# Allegro board RK3588_Template_LP4XD200P232SD8_41R0X41R0_2133MHz_H1R0_V11_20220216.brd (continued)
## Copper pours and planes (outline as drawn; the poured copper is in the pictures) (continued)
GND on L6-S2 (solid shape): 35.27,55.42 35.37,55.36 35.35,55.25 35.19,55.09 35.17,55.09 34.93,54.49 35.53,54.73 35.53,54.75 35.66,54.88 36.47,54.88 36.48,54.83 37.09,54.63 36.84,55.22 36.82,55.22 36.8,55.25 36.78,55.36 36.87,55.42 40.81,55.42 41.61,54.62 41.63,54.51 41.53,54.45 37.58,54.45 37.22,54.09 34.77,54.09 34.29,54.58 35.14,55.42
GND on L6-S2 (solid shape): outline of 96 points within 66.82,31.58 68.73,38.34
GND on L6-S2 (solid shape): 57.69,35.77 57.76,35.79 57.83,35.75 57.91,35.66 57.91,35.48 57.85,35.42 57.81,35.35 57.79,35.27 57.79,35.11 57.81,35.03 57.85,34.96 57.91,34.9 57.91,34.72 57.79,34.59 57.79,34.2 57.91,34.08 57.91,33.83 57.86,33.76 57.85,33.68 57.85,33.46 57.87,33.39 57.83,33.32 57.74,33.09 57.88,32.88 57.91,32.87 57.91,32.72 57.88,32.71 57.77,32.63 57.71,32.52 57.64,32.46 57.55,32.47 57.34,32.53 57.16,32.41 57.07,32.37 56.99,32.42 56.93,32.51 56.85,32.57 56.85,32.57 56.8,32.61 56.84,32.65 56.84,33.16 57.01,33.33 57.34,33.33 57.68,33.66 57.68,34.59 57.6,34.67 57.68,34.76 57.68,35.26 57.43,35.51
GND on L6-S2 (solid shape): 32.12,50.69 32.21,50.62 32.19,50.51 31.68,50.01 31.66,50.01 31.49,49.98 31.35,49.88 31.27,49.84 31.19,49.88 30.75,49.97 30.57,49.57 30.58,49.54 30.52,49.48 30.14,49.48 28.74,48.08 25.61,48.08 25.23,48.47 25.2,48.54 25.24,48.62 25.36,48.8 25.35,49.03 25.34,49.04 25.34,49.1 25.43,49.1 25.51,49.06 25.53,48.97 25.68,48.65 26.01,48.77 26.02,48.78 26.06,48.82 26.39,48.48 26.41,48.48 26.43,48.46 28.35,48.46 28.69,48.8 28.69,48.8 29.3,49.41 29.3,49.42 30.5,50.62 30.51,50.62 30.58,50.69
GND on L6-S2 (solid shape): 54.24,43.3 54.32,43.26 54.35,43.23 54.38,43.21 54.42,43.14 54.4,43.06 54.08,42.74 54.08,42.21 53.7,41.82 53.7,40.39 52.93,39.63 52.93,38.57 52.55,38.18 52.55,28.51 52.89,28.17 53.51,28.17 53.78,28.45 53.95,28.45 53.95,27.73 54.65,27.03 55.46,27.03 55.86,26.63 55.86,26.37 55.9,26.33 55.81,26.26 55.78,26.22 55.7,26.18 55.62,26.21 55.51,26.3 55.37,26.33 55.35,26.33 54.92,26.76 53.94,26.76 53.85,26.85 53.9,26.89 53.91,26.9 54.06,27.32 53.61,27.27 53.54,27.22 53.45,27.25 52.29,28.41 52.29,38.14 52.79,38.65 52.79,40.37 53.43,41.01 53.43,41.82 53.47,41.86 53.49,41.89 53.52,41.94 53.79,42.21 53.79,42.77 53.79,42.78 53.79,42.88 53.79,42.88 53.79,43.08 53.87,43.15 53.89,43.15 54.04,43.18 54.16,43.26
GND on L6-S2 (solid shape): 71.86,45.94 72.2,45.6 72.69,45.6 72.84,45.74 72.94,45.76 73,45.68 73,45.53 73.34,45.19 74.21,45.19 74.26,45.24 74.44,45.24 74.69,44.98 74.97,44.98 75.05,44.92 75.02,44.81 75.21,44.36 75.41,44.81 75.38,44.92 75.46,44.98 75.89,44.98 76.2,44.67 76.2,44.5 75.6,43.9 75.2,43.9 75.13,43.94 75.1,44.02 74.92,44.37 74.53,44.29 73.75,44.29 72.76,45.28 72.2,45.28 72.14,45.34 71.17,45.34 70.83,45.68 66.82,45.68 66.78,45.72 66.75,45.75 66.69,45.78 66.67,45.88 66.75,45.95 68.05,45.95 68.05,45.95 68.21,45.95 68.33,46.08 68.57,46.08 68.67,45.98 69.38,45.98 69.48,46.08 69.68,46.08 69.78,45.98 70.39,45.98 70.49,46.08 70.7,46.08 70.8,45.98 71.54,45.98 71.66,46.1 71.86,46.1
GND on L6-S2 (solid shape): 57.66,41.8 57.77,41.81 57.82,41.72 57.82,41.59 58.08,41.34 58.54,41.34 58.76,41.57 59.02,41.57 59.05,41.53 59.05,41.16 58.82,41.16 58.53,40.87 57.99,40.76 58.31,40.31 58.34,40.31 58.46,40.19 58.46,40.05 58.42,39.97 58.34,39.95 57.97,39.65 58.29,39.3 58.31,39.3 58.46,39.15 58.46,39 58.42,38.92 58.34,38.9 58,38.72 58.06,38.34 58.08,38.33 58.08,38.3 58.12,38.25 58.14,38.14 58.05,38.08 58.03,38.08 57.85,37.9 57.81,37.85 57.73,37.85 57.73,39.1 57.47,39.36 57.73,39.62 57.73,40.23 57.43,40.54 57.74,40.85 57.74,41.33 57.47,41.61 57.48,41.61
GND on L6-S2 (solid shape): 76.92,55.31 76.96,55.22 76.96,54.77 76.93,54.69 76.84,54.67 76.59,54.6 76.47,54.37 76.46,54.32 76.39,54.32 76.03,54.69 74.22,54.69 73.89,54.35 73.89,53.81 74.02,53.68 74.02,53.43 73.82,53.24 73.71,53.24 73.71,53.34 73.37,53.68 72.83,53.68 72.73,53.59 72.68,53.64 72.69,53.7 72.69,53.73 72.69,53.89 72.71,53.93 72.99,53.94 73.17,54.12 73.22,54.19 73.23,54.27 73.23,54.52 73.11,54.64 73.34,54.88 73.95,54.88 74.32,54.83 74.49,55.17 74.52,55.25 74.59,55.28 74.85,55.28 74.93,55.24 74.94,55.15 75.19,54.79 75.44,55.15 75.45,55.24 75.53,55.28 76.67,55.28 76.69,55.3 76.71,55.3 76.77,55.3 76.82,55.32
GND on L6-S2 (solid shape): 74.97,54.08 75.06,54.01 75.03,53.91 75.22,53.46 75.41,53.91 75.39,54.01 75.47,54.08 75.78,54.08 76.14,53.72 76.46,53.72 76.47,53.61 76.2,53.34 76.16,53.36 75.77,53.3 75.72,52.91 75.74,52.88 75.59,52.73 75.55,52.77 75.07,52.77 74.91,52.61 74.83,52.58 74.76,52.62 74.44,52.69 74.29,52.41 74.27,52.32 74.19,52.29 73.67,52.29 73.65,52.32 73.31,52.47 73.16,52.13 73.16,52.12 73.16,52.06 73.04,52.06 72.93,52.19 72.76,52.24 72.67,52.3 72.68,52.41 73.03,52.76 73.03,52.81 73.09,52.89 73.19,52.87 73.44,52.63 74.07,52.63 74.62,53.18 74.62,53.93 74.56,54 74.55,54.05 74.59,54.08
GND on L6-S2 (solid shape): 82.29,57.36 82.39,57.35 82.64,57.1 82.64,56.63 82.59,56.56 82.5,56.55 82.15,56.3 82.5,56.05 82.59,56.04 82.64,55.97 82.64,55.75 82.55,55.65 82.55,55.46 82.51,55.4 82.43,55.38 82.09,55.19 82.18,54.81 82.21,54.73 82.18,54.65 82.09,54.55 82.06,54.42 82.03,54.35 81.96,54.32 81.44,54.32 81.41,54.36 81.41,54.73 81.44,54.8 81.51,54.83 81.8,55.1 81.51,55.36 81.44,55.39 81.41,55.46 81.41,55.82 81.45,55.9 81.53,55.92 81.93,56.15 81.71,56.55 81.64,56.62 81.67,56.72 81.75,56.8 81.75,56.93 81.79,57.01 82.12,57.06 82.23,57.27
GND on L6-S2 (solid shape): 68.66,31.29 68.73,31.21 68.73,30.95 68.66,30.87 68.56,30.88 68.14,30.62 68.63,30.56 68.65,30.59 68.73,30.59 68.73,30.4 68.24,29.92 68.12,29.92 67.75,29.55 67.75,29.42 67.43,29.11 67.18,29.11 66.78,28.71 66.78,27.9 66.71,27.82 66.61,27.83 66.18,27.63 66.61,27.42 66.71,27.44 66.78,27.36 66.78,26.97 66.41,26.59 66.21,26.59 66.15,26.63 66.12,26.69 65.65,26.97 65.58,26.43 65.62,26.35 65.58,26.28 65.48,25.93 65.75,25.7 65.84,25.64 65.81,25.53 65.72,25.44 65.4,25.44 65.14,25.55 64.89,25.42 64.77,25.42 64.77,25.99 64.77,26.04 64.77,26.09 64.77,26.63 64.81,26.73 64.81,26.83 65.79,27.81 65.79,28.19 67.94,30.35 67.94,30.5 68.01,30.68 67.94,30.85 67.94,30.99 68.23,31.27 68.4,31.21 68.56,31.27
GND on L6-S2 (solid shape): 57.79,46.86 58.55,46.86 58.67,46.74 58.67,46.36 58.42,46.1 58.42,45.87 58.28,45.83 58.15,45.74 57.7,45.29 57.7,45.1 57.7,45.06 57.67,45.04 57.62,45.01 57.57,44.96 57.4,44.96 57.4,45.2 57.49,45.43 57.4,45.65 57.4,45.85 57.44,45.9 57.52,45.95 57.61,45.91 58.08,46.08 57.61,46.24 57.52,46.21 57.44,46.25 57.19,46.4 56.92,46.3 56.91,46.28 56.87,46.28 56.82,46.23 56.73,46.23 56.4,46.32 56.26,46.01 56.26,46 56.26,45.67 56.23,45.63 56.23,44.93 56.15,44.85 56.11,44.89 56.1,44.9 55.77,45.03 55.61,44.71 55.59,44.62 55.51,44.58 54.74,44.58 54.61,44.45 54.27,44.26 54.36,43.88 54.36,43.82 53.55,43.82 53.04,43.86 52.83,43.4 52.83,43.39 52.83,43.02 52.66,42.85 52.55,42.83 52.49,42.92 52.49,43.23 52.32,43.4 52.32,43.56 52.37,43.61 52.37,43.61 52.57,43.8 52.59,43.8 52.85,43.9 52.94,44.15 52.94,44.18 53.85,45.09 55.12,45.09 55.63,45.59 55.63,46.86 55.69,46.93 57.72,46.93
GND on L6-S2 (solid shape): outline of 95 points within 73.6,41.09 84.11,46.23
GND on L6-S2 (solid shape): outline of 2583 points within 48.08,22.99 86.11,60.68
GND on L6-S2 (solid shape): outline of 11497 points within 19.18,4.06 120.52,126.49
GND on L7-GND3 (solid shape): outline of 42569 points within 19.18,4.06 120.52,126.49
GND on TOP: 2.92,62.36 2.92,44.2 20.32,44.2 20.32,62.36 ; 1 cut-out
GND on TOP: 92.2,111.89 92.2,109.09 92.33,108.97 92.96,108.97 93.34,109.35 93.34,111.89 93.22,112.01 92.33,112.01
GND on TOP: 86.49,107.19 86.74,107.19 87,107.44 87,112.4 86.74,112.65 86.11,112.65 85.09,111.63 85.09,105.66 86.23,105.66 86.49,105.92
GND on TOP: 95.25,112.01 95.25,109.09 96.14,108.2 96.52,108.2 96.65,108.33 96.65,111.89 96.39,112.14 95.38,112.14
GND on TOP: 83.69,112.4 83.69,105.92 83.95,105.66 85.6,105.66 85.72,105.79 85.72,110.62 86.74,111.63 86.74,112.4 86.49,112.65 83.95,112.65
GND on TOP: 96.65,113.54 96.65,112.4 96.9,112.14 100.2,112.14 100.46,112.4 100.46,113.41 100.33,113.54
GND on L2-GND1, L3-POWER1, L4-GND2, L5-POWER2, L6-S2, L7-GND3: 2.92,62.36 2.92,44.2 20.32,44.2 20.32,62.36
VCC1V8_PMU_DDR_S3 on L3-POWER1 (solid shape): outline of 7804 points within 57.4,23.75 91.19,79.44
VCC1V8_PMU_DDR_S3 on TOP: 87.12,114.3 89.28,114.3 89.41,114.17 89.41,112.9 87.12,112.9 86.87,113.16 86.87,114.05
VCC1V8_PMU_DDR_S3 on L3-POWER1: 106.05,111.12 106.05,110.49 106.17,110.36 106.81,110.36 109.09,108.08 109.09,87.25 105.28,83.44 105.28,79.63 104.14,78.49 101.47,78.49 101.03,78.93 101.03,82.68 106.05,87.69 106.05,99.95 104.39,101.6 103.63,101.6 102.87,102.36 102.87,104.65 100.58,106.93 98.55,106.93 97.03,108.46 97.03,108.59 92.71,112.9 87,112.9 86.87,113.03 86.87,116.46 87.5,117.09 100.08,117.09
VCC1V8_PMU_DDR_S3 on L6-S2: 102.62,78.23 101.73,77.34 88.39,77.34 87.5,78.23 87.5,80.9 87.88,81.28 101.98,81.28 102.62,80.65
VCC4V0_SYS on TOP (solid shape): 89.11,95.08 88.52,94.49 87.25,94.49 87,94.74 87,95.63 87.12,95.76 88.01,95.76 88.27,96.01 89.11,96.01
VCC4V0_SYS on TOP (solid shape): 88.76,103.15 88.76,102.23 88.27,102.23 88.27,102.29 87.2,102.29 87.12,102.36 87.12,103.23 87.05,103.3 87.12,103.38 88.54,103.38
VCC4V0_SYS on TOP (solid shape): 73.3,81.92 73.3,79.88 73.05,79.63 71.53,79.63 71.15,79.25 70.76,79.25 70.76,80.07 70.2,80.07 70.13,80.14 70.13,81.79 70.51,82.17 73.05,82.17
VCC4V0_SYS on TOP (solid shape): 95.76,96.39 95.76,95.5 95.63,95.38 95,95.38 94.23,96.14 94.23,96.39 95.12,96.39 95.16,96.43 95.17,96.44 95.25,96.52 95.63,96.52
VCC4V0_SYS on TOP (solid shape): 39.24,12.7 39.24,7.87 39.12,7.75 36.83,7.75 36.7,7.87 36.7,11.94 36.35,12.29 36.35,12.45 37.21,12.45 37.21,13.08 38.86,13.08
VCC4V0_SYS on TOP (solid shape): 48.9,12.83 48.9,8 48.77,7.87 46.48,7.87 46.36,8 46.36,12.07 46,12.42 46,12.57 46.81,12.57 46.81,13.21 48.51,13.21
VCC4V0_SYS on TOP (solid shape): 105.41,107.44 105.41,106.3 105.92,105.79 105.92,104.65 106.05,104.52 106.5,104.52 106.68,104.35 106.68,102.62 106.55,102.49 104.78,102.49 104.65,102.62 104.65,107.44 104.73,107.52 105.33,107.52
VCC4V0_SYS on BOTTOM (solid shape): 88.35,95.54 88.35,95.19 88.39,95.19 88.39,94.74 89.66,94.74 89.79,94.62 89.79,93.73 89.66,93.6 85.47,93.6 85.34,93.73 85.34,94.62 85.47,94.74 86.61,94.74 87,95.12 87,95.63 87.12,95.76 88.14,95.76
VCC4V0_SYS on BOTTOM: 89.28,104.52 89.15,104.39 89.15,103.38 89.41,103.12 90.93,103.12 91.19,103.38 92.33,103.38 92.84,102.87 93.85,102.87 93.98,103 93.98,103.38 94.23,103.63 94.23,104.39 93.98,104.65 91.57,104.65 90.55,105.66 90.55,106.55 90.17,106.93 89.03,106.93 88.9,106.81 88.9,106.17 89.28,105.79
VCC4V0_SYS on BOTTOM: 92.46,93.85 92.2,94.11 92.2,95 92.33,95.12 93.85,95.12 94.11,95.38 94.11,95.89 94.36,96.14 95.12,96.14 95.12,96.9 95.38,97.16 95.38,98.55 95.5,98.68 96.52,98.68 96.65,98.55 96.65,98.3 96.52,98.17 96.52,96.14 95.5,95.12 95.5,94.11 95.25,93.85
VCC4V0_SYS on BOTTOM: 84.45,99.06 84.45,97.66 84.58,97.54 86.74,97.54 86.87,97.66 86.87,98.55 87.12,98.81 87.12,99.06 87,99.19 84.58,99.19
VCC4V0_SYS on BOTTOM: 86.61,103.38 88.14,103.38 88.27,103.25 88.27,101.22 88.14,101.09 86.87,101.09 86.49,101.47 86.49,103.25
VCC4V0_SYS on L3-POWER1: 76.14,103.82 80.84,99.12 80.84,98.36 83.19,96.01 83.19,93.34 83.57,92.96 93.34,92.96 96.14,95.76 96.14,96.52 96.65,97.03 96.65,98.55 96.46,98.74 95.06,98.74 94.23,97.92 94.23,96.52 93.98,96.27 88.27,96.27 88.01,96.52 88.01,102.11 88.77,102.87 93.73,102.87 96.65,105.79 96.65,108.59 92.58,112.65 86.49,112.65 86.11,113.03 86.11,120.9 85.85,121.16 76.77,121.16 76.14,120.52
VCC4V0_SYS on L4-GND2: 64.01,21.46 85.47,21.46 88.01,24 88.01,34.16 89.92,36.07 99.82,36.07 103.95,40.2 103.95,84.39 107.95,88.39 107.95,98.17 104.01,102.11 104.01,102.23 101.35,104.9 101.35,115.7 97.66,119.38 83.44,119.38 83.06,119.76 83.06,129.54 83.82,130.3 113.16,130.3 117.09,126.37 117.09,81.79 109.79,74.48 109.79,30.8 108.2,29.21 98.3,29.21 97.66,28.58 97.66,24.51 91.06,17.91 91.06,8.76 90.36,8.06 70.68,8.06 67.94,5.33 38.73,5.33 37.21,6.86 37.21,12.32 38.48,13.59 56.13,13.59
VCC_1V1_NLDO_S3 on TOP (solid shape): 103.89,106.17 103.76,106.05 103,106.05 102.87,105.92 102.87,103.25 102.74,103.12 100.97,103.12 100.71,103.38 100.71,104.39 100.84,104.52 100.84,105.79 100.71,105.92 99.95,105.92 99.69,106.17 99.69,107.44 99.82,107.57 103.89,107.57
VCC_1V1_NLDO_S3 on L3-POWER1: 102.74,104.39 102.74,102.74 102.23,102.23 99.44,102.23 96.14,98.93 95.63,98.93 95.38,99.19 95.38,104.14 97.79,106.55 100.58,106.55
VCC_1V8_S0 on BOTTOM (solid shape): 64.01,58.04 64.01,57.9 64,57.7 64.11,57.52 64.14,57.45 64.1,57.38 63.99,57.13 64.14,56.8 64.1,56.73 63.99,56.42 64.19,56.17 64.21,56.06 64.26,55.96 64.26,55.61 64.26,55.6 64.24,55.5 64.26,55.4 64.26,55.37 64.33,55.29 64.39,55.24 64.52,55.12 64.52,54.52 64.39,54.4 63.97,54.4 63.75,54.61 63.37,54.61 63.25,54.74 63.25,54.94 63.29,55 63.33,55.07 63.5,55.25 63.5,57.02 63.47,57.05 63.47,57.06 63.33,57.21 63.33,57.22 63.16,57.42 62.89,57.43 62.85,57.42 62.74,57.53 62.74,57.91 62.86,58.04 63.5,58.04 63.63,58.17 63.88,58.17
VCC_1V8_S0 on L3-POWER1 (solid shape): outline of 4283 points within 33.02,10.54 54.99,56.77
VCC_1V8_S0 on L6-S2 (solid shape): outline of 1498 points within 54.63,54.99 99.57,71.37
VCC_1V8_S0 on BOTTOM: 92.08,86.49 92.08,69.09 91.82,68.83 90.17,68.83 89.92,69.09 89.92,83.31 90.42,83.82 90.42,86.49 90.68,86.74 91.82,86.74
VCC_1V8_S3 on TOP (solid shape): 77.38,116.71 77.42,116.71 79.73,116.71 79.78,116.71 79.82,116.71 82.13,116.71 82.18,116.71 82.22,116.71 84.53,116.71 84.58,116.71 84.62,116.71 86.93,116.71 86.98,116.71 87.02,116.71 91.06,116.71 91.82,115.95 91.82,113.28 91.95,113.16 91.95,111.99 91.95,108.99 91.95,108.46 92.08,108.33 92.08,107.06 91.97,106.96 90.42,106.96 90.42,108.46 90.55,108.59 90.55,111.51 90.3,111.76 90.3,112.9 90.3,114.17 90.3,114.3 89.92,114.68 86.61,114.68 86.36,114.43 71.12,114.43 70.87,114.68 70.87,116.08 71.5,116.71 77.33,116.71
VCC_1V8_S3 on L4-GND2: 38.1,104.14 38.1,101.98 38.73,101.35 45.85,101.35 53.59,109.09 63.5,109.09 67.44,113.03 72.01,113.03 72.77,113.79 72.77,117.09 72.01,117.86 67.31,117.86 61.47,112.01 49.53,112.01 42.55,105.03 38.99,105.03
VCC_1V8_S3 on L6-S2: 6.86,57.4 6.86,54.93 7.56,54.23 7.56,53.66 8.38,52.83 12.32,52.83 13.34,53.85 13.34,55.37 13.21,55.5 12.32,55.5 10.92,54.1 9.4,54.1 9.02,54.48 9.02,56.26 9.14,56.39 9.52,56.39 9.65,56.52 9.65,57.28 9.14,57.79 7.24,57.79
VCC_2V0_PLDO_S3 on TOP (solid shape): 79.5,101.22 79.5,100.97 79.54,100.93 79.54,100.92 79.63,100.79 79.76,100.7 79.77,100.7 80.01,100.46 82.93,100.46 83.44,100.97 84.07,100.97 84.2,100.84 84.2,99.31 81.65,99.31 81.64,99.32 81.52,99.34 81.4,99.32 81.39,99.31 80.04,99.31 80.04,99.32 79.91,99.34 79.79,99.32 79.78,99.31 78.74,99.31 78.23,99.82 76.96,99.82 76.58,100.2 76.58,101.22 76.84,101.47 79.25,101.47
VCC_2V0_PLDO_S3 on L6-S2: 84.07,93.47 81.66,95.89 77.6,95.89 74.42,99.06 74.42,102.49 74.55,102.62 77.09,102.62 77.47,102.23 77.47,101.6 78.61,100.46 83.57,100.46 87.76,96.27 88.39,96.27 88.52,96.14 90.81,96.14 91.06,95.89 91.06,94.36 90.17,93.47
VCC_3V3_S0 on L3-POWER1 (solid shape): outline of 549 points within 44.07,56.26 51.82,88.39
VCC_3V3_S0 on L3-POWER1: 107.19,80.01 107.19,63.88 109.22,61.85 110.74,61.85 111,62.1 111,63.88 110.74,64.14 110.74,75.18 109.86,76.07 109.86,80.65 109.6,80.9 108.08,80.9
VCC_3V3_S0 on L6-S2: 43.43,89.03 43.43,87.63 43.69,87.38 66.42,87.38 67.18,86.61 72.01,86.61 72.33,86.3 80.96,86.3 81.53,86.87 97.54,86.87 102.11,82.3 106.81,82.3 108.08,81.03 108.08,80.14 108.46,79.76 109.6,79.76 111.12,81.28 111.12,85.34 109.35,87.12 102.87,87.12 100.97,89.03 77.34,89.03 75.95,90.42 46.1,90.42 44.96,89.28 43.69,89.28
VCC_3V3_S3 on TOP (solid shape): 104.65,98.17 104.65,96.9 104.39,96.65 98.55,96.65 98.43,96.77 98.43,98.3 100.71,98.3 100.9,98.49 102.3,98.49 102.36,98.55 104.27,98.55
VCC_3V3_S3 on BOTTOM (solid shape): 12.34,55.75 12.34,54.66 11.61,54.66 11.56,54.61 11.56,54.1 11.34,53.89 10.61,53.89 10.48,53.76 9.34,53.76 9.04,53.46 8.53,53.46 8.44,53.54 8.44,54.27 8.53,54.35 9.67,54.35 9.8,54.48 10.67,54.48 10.92,54.74 10.92,54.99 11.18,55.25 11.56,55.25 11.74,55.43 11.74,55.79 11.87,55.91 12.17,55.91
VCC_3V3_S3 on L3-POWER1 (solid shape): outline of 565 points within 32.77,48.77 50.29,51.31
VCC_3V3_S3 on L4-GND2: 18.41,68.37 19.18,74.42 19.18,81.92 28.96,91.69 34.54,91.69 36.96,94.11 36.96,98.93 37.59,99.57 40.26,99.57 40.64,99.19 40.64,92.84 30.1,82.3 27.81,82.3 26.8,81.28 26.8,68.83 27.18,68.45 27.18,55.12 31.37,50.93 34.8,50.93 35.18,50.55 35.18,47.75 21.34,47.75 18.41,50.67
VCC_3V3_S3 on L6-S2: 102.74,96.52 102.49,96.77 102.49,98.55 103,99.06 104.01,99.06 106.93,101.98 106.93,112.9 109.09,115.06 109.09,115.82 107.19,117.73 107.19,121.67 114.17,121.67 114.17,114.17 110.49,110.49 110.49,97.92 109.09,96.52
VCCA_1V8_S0 on TOP (solid shape): 93.47,87.25 93.47,86.74 93.6,86.61 93.6,85.98 93.47,85.85 92.46,85.85 92.33,85.98 92.33,87.25 92.46,87.38 93.34,87.38
VCCA_1V8_S0 on BOTTOM (solid shape): 61.53,59.38 61.53,59.11 61.46,59.05 61.42,59.05 61.38,59.05 61.33,59.05 61.28,59.04 60.82,59.04 60.71,59.05 60.61,59.02 60.59,59.02 60.57,59 60.53,58.97 60.49,58.93 60.33,58.93 60.3,58.96 60.23,59.02 60.19,59.03 60,59.03 59.85,58.93 59.68,58.93 59.44,59.05 59.2,58.93 59.04,58.93 58.8,59.05 58.56,58.93 58.34,58.93 58.29,58.97 58.29,59.13 58.32,59.17 58.33,59.22 58.44,59.33 60.07,59.33 60.12,59.38 60.4,59.38 60.44,59.37 60.49,59.38 60.9,59.38 60.95,59.42 61.08,59.4 61.21,59.44 61.47,59.44
VCCA_1V8_S0 on L3-POWER1 (solid shape): outline of 396 points within 50.42,45.66 52.83,49.78
VCCA_1V8_S0 on L6-S2 (solid shape): outline of 6694 points within 50.16,47.12 92.96,69.72
VCCA_1V8_S0 on BOTTOM: 92.33,86.49 92.58,86.74 93.85,86.74 94.62,85.98 94.62,68.45 94.11,67.95 92.46,67.95 92.33,68.07 91.82,68.07 91.57,68.33 91.57,68.58 91.69,68.71 91.82,68.71 92.33,69.22
VCCA_3V3_S0 on L3-POWER1 (solid shape): outline of 241 points within 60.45,60.07 72.64,86.49
VCCA_3V3_S0 on L6-S2 (solid shape): outline of 831 points within 64.77,56.77 111.25,63.5
VCCIO_SD_S0 on L3-POWER1 (solid shape): outline of 2256 points within 62.48,49.91 93.98,91.69
VDD2_DDR_S3 on TOP (solid shape): 90.17,111.51 90.17,106.17 90.07,106.07 88.45,106.07 88.45,105.98 88.27,105.79 87.78,105.79 87.66,105.87 87.52,105.9 87.5,105.92 87.5,106.55 87.5,106.81 87.5,107.57 87.5,107.7 87.25,107.95 87.25,112.14 87.5,112.4 89.28,112.4
VDD2_DDR_S3 on BOTTOM (solid shape): 86.74,37.9 86.74,36.58 86.49,36.32 85.34,36.32 83.06,36.32 82.8,36.58 82.8,37.72 83.19,38.1 86.54,38.1
VDD2_DDR_S3 on L4-GND2: 68.26,35.88 71.75,32.39 82.55,32.39 82.8,32.64 82.8,37.08 73.15,46.74 73.15,56.26 79.12,62.23 79.12,71.88 93.22,85.98 93.22,95.76 94.11,96.65 94.11,101.6 93.6,102.11 90.3,102.11 87.88,104.52 87.88,112.27 88.01,112.4 88.39,112.4 88.9,112.9 98.93,112.9 100.65,111.19 100.65,99.69 101.22,99.12 101.22,93.73 98.42,90.93 98.42,79.76 87.76,69.09 87.76,28.32 83.31,23.88 54.23,23.88 53.47,24.64 53.47,31.5 57.85,35.88 ; 7 cut-outs
VDD_0V75_S0 on L3-POWER1 (solid shape): outline of 1930 points within 51.82,52.07 55.76,76.01
VDD_0V75_S0 on TOP: 98.42,99.31 100.46,99.31 100.58,99.19 100.58,98.81 100.46,98.68 98.42,98.68
VDD_0V75_S0 on L3-POWER1: 90.55,59.31 90.93,58.93 92.33,58.93 94.11,60.71 94.11,70.1 95.88,71.88 95.88,78.36 96.01,78.49 96.01,87.38 97.03,88.39 97.03,91.19 99.06,93.22 99.06,96.52 100.46,97.92 100.46,99.06 100.2,99.31 97.41,99.31 96.77,98.68 96.77,95.63 94.62,93.47 94.62,89.41 92.46,87.25 92.46,72.77 90.55,70.87
VDD_0V75_S0 on L6-S2: 48.13,24.64 48.13,22.99 50.04,21.08 71.25,21.08 74.04,23.88 74.04,33.27 76.2,35.43 88.01,35.43 88.65,36.07 88.65,57.28 89.79,58.42 91.69,58.42 92.33,59.06 92.33,59.69 90.81,61.21 87,61.21 86.36,60.58 86.36,38.99 85.34,37.97 74.17,37.97 72.26,36.07 72.26,25.91 69.09,22.73 51.31,22.73 49.28,24.77 48.26,24.77
VDD_0V75_S0 on L6-S2: 98.93,95.38 94.74,91.19 94.62,91.19 94.36,90.93 81.41,90.93 81.15,91.19 78.87,91.19 77.85,92.2 70.1,92.2 68.96,91.06 68.83,91.06 68.33,90.55 47.5,90.55 46.48,91.57 46.48,94.49 46.86,94.87 48.64,94.87 48.9,94.62 48.9,93.47 49.02,93.34 67.06,93.34 68.58,94.87 81.79,94.87 83.57,93.09 90.68,93.09 93.85,96.27 93.85,97.41 95.76,99.31 100.46,99.31 100.58,99.19 100.58,98.55 100.08,98.04 99.95,98.04 98.93,97.03
VDD_0V75_S3 on L3-POWER1 (solid shape): outline of 638 points within 22.99,49.78 50.93,88.65
VDD_0V75_S3 on TOP: 99.06,104.52 100.33,104.52 100.46,104.39 100.46,104.01 100.33,103.89 98.93,103.89 98.81,104.01 98.81,104.27
VDD_0V75_S3 on L6-S2: 100.08,111.25 83.44,111.25 83.31,111.12 70.61,111.12 69.47,109.98 69.47,107.44 69.6,107.31 97.41,107.31 99.44,105.28 99.44,104.9 98.93,104.39 98.93,103.63 99.31,103.25 100.58,103.25 101.6,104.27 101.6,109.73
VDD_CPU_BIG0_S0 on TOP (solid shape): 49.66,22.86 49.66,18.03 50.42,17.27 50.42,16.13 50.33,16.04 47.41,16.04 47.24,15.88 47.24,15.37 46.99,15.11 46.1,15.11 45.97,15.24 45.97,23.11 46.36,23.5 49.02,23.5
VDD_CPU_BIG0_S0 on BOTTOM (solid shape): 56.71,52 56.71,51.62 56.9,51.44 57.53,51.44 57.66,51.56 57.66,51.94 57.79,52.07 57.91,52.07 58.15,51.83 58.17,51.79 58.17,51.41 58.14,51.28 58.17,51.14 58.17,50.76 58.14,50.63 58.17,50.49 58.17,50.17 57.98,49.98 57.98,49.22 57.91,49.15 57.79,49.15 57.66,49.28 57.66,49.55 57.43,49.78 56.9,49.78 56.69,49.58 56.69,49.24 56.64,49.2 56.47,49.2 56.39,49.28 56.39,49.92 56.13,50.18 56.13,50.44 56.19,50.63 56.13,50.82 56.13,50.93 56.01,51.05 55.88,51.05 55.75,51.18 55.75,51.44 55.88,51.56 56.01,51.56 56.13,51.69 56.13,51.74 56.16,51.8 56.18,51.86 56.39,52.07 56.64,52.07
VDD_CPU_BIG0_S0 on L4-GND2 (solid shape): outline of 5083 points within 40.58,15.11 58.17,52.32
VDD_CPU_BIG0_S0 on L5-POWER2 (solid shape): outline of 4582 points within 39.37,15.11 58.42,52.32
VDD_CPU_BIG0_S0 on TOP: 41.78,16.38 43.43,16.38 43.69,16.13 43.69,15.24 43.56,15.11 41.78,15.11 41.66,15.24 41.66,16.26
VDD_CPU_BIG1_MEM_S0 on TOP (solid shape): 33.66,11.43 33.66,9.14 33.53,9.02 32.13,9.02 31.88,9.27 31.88,11.3 32.13,11.56 33.53,11.56
VDD_CPU_BIG1_MEM_S0 on L6-S2 (solid shape): outline of 1408 points within 31.75,37.98 54.86,49.91
VDD_CPU_BIG1_MEM_S0 on L3-POWER1: 29.59,41.02 33.78,41.02 34.04,40.77 34.04,24.13 32.39,22.48 32.39,12.95 32.77,12.57 32.77,9.53 32.26,9.02 29.08,9.02 28.45,9.65 28.45,39.88
VDD_CPU_BIG1_S0 on TOP (solid shape): 40.51,22.99 40.51,15.75 40.39,15.62 37.59,15.62 37.47,15.49 37.47,15.24 37.21,14.99 36.45,14.99 36.32,15.11 36.32,23.11 36.58,23.37 40.13,23.37
VDD_CPU_BIG1_S0 on L4-GND2 (solid shape): outline of 3782 points within 29.97,13.46 53.74,51.18
VDD_CPU_BIG1_S0 on L5-POWER2 (solid shape): outline of 3784 points within 26.29,13.34 53.72,51.18
VDD_CPU_BIG1_S0 on TOP: 32,15.37 33.02,15.37 33.15,15.24 33.15,13.46 33.53,13.08 33.53,12.32 33.4,12.19 32.26,12.19 31.75,12.7 31.75,15.11
VDD_CPU_LIT_S0 on TOP (solid shape): 83.44,112.01 83.44,105.81 83.44,105.79 83.69,105.54 83.69,102.74 82.3,102.74 82.17,102.87 82.17,103.76 82.04,103.76 81.28,103.76 81.28,103.76 81.03,103.76 81.03,103.76 80.26,103.76 80.26,105.66 78.49,107.44 70.61,107.44 70.36,107.7 70.36,111.51 71.37,112.52 82.93,112.52
VDD_CPU_LIT_S0 on BOTTOM (solid shape): 54.74,54.61 54.74,53.98 54.67,53.91 54.67,53.76 54.59,53.55 54.67,53.34 54.67,53.17 54.51,52.87 54.74,52.61 54.74,51.94 54.52,51.72 54.18,51.9 53.94,51.61 53.74,51.56 53.61,51.41 53.57,51.41 53.46,51.54 53.3,51.6 53.09,51.82 53.09,51.94 53.21,52.07 53.21,52.12 53.24,52.25 53.21,52.38 53.19,52.42 53.16,52.46 53.16,52.69 53.24,52.9 53.16,53.11 53.16,53.34 53.24,53.55 53.16,53.76 53.16,54.43 53.47,54.74 54.61,54.74
VDD_CPU_LIT_S0 on L4-GND2 (solid shape): outline of 7350 points within 28.83,51.44 73.28,112.65
VDD_CPU_LIT_S0 on L5-POWER2 (solid shape): outline of 7233 points within 25.65,51.31 73.66,112.78
VDD_DDR_S0 on TOP (solid shape): 78.13,99.57 78.49,99.21 78.49,98.04 78.52,98.01 78.52,97.94 78.59,97.94 78.61,97.92 79.74,97.92 79.75,97.91 79.91,97.88 80.08,97.91 80.09,97.92 81.34,97.92 81.35,97.91 81.52,97.88 81.68,97.91 81.69,97.92 82.55,97.92 82.57,97.94 82.9,97.94 82.9,98.27 83.19,98.55 84.07,98.55 84.2,98.43 84.2,96.9 83.06,96.9 82.68,96.52 78.36,96.52 78.23,96.65 78.23,96.65 77.47,96.65 77.47,96.65 77.22,96.65 77.22,96.65 76.45,96.65 76.45,96.65 76.07,96.65 75.56,97.16 75.56,99.19 75.95,99.57 76.86,99.57
VDD_DDR_S0 on L3-POWER1 (solid shape): outline of 9432 points within 56.01,47.62 81.03,100.08
VDD_GPU_S0 on TOP (solid shape): 83.82,93.09 83.69,92.96 81.79,92.96 81.69,92.86 81.62,92.81 81.53,92.71 74.3,92.71 73.79,93.22 73.79,95.12 73.91,95.25 74.68,95.25 74.93,95.25 75.69,95.25 76.07,95.25 76.2,95.12 79.88,95.12 80.48,95.72 83.82,95.72
VDD_GPU_S0 on BOTTOM (solid shape): 58.54,57.28 58.79,57.15 59.04,57.28 59.19,57.28 59.51,57.16 59.74,57.4 60.2,57.4 60.33,57.28 60.33,56.85 60.2,56.72 60.13,56.64 60.09,56.54 59.94,56.39 59.94,55.12 59.82,54.99 59.18,54.99 59.17,55 59.06,55 58.79,55.15 58.52,55 58.42,55 57.59,55.82 57.59,56.07 57.7,56.17 57.93,56.17 58.11,56.33 58.17,56.39 58.17,56.64 58.04,56.77 57.97,56.77 57.81,56.81 57.66,56.77 57.66,56.77 57.59,56.84 57.59,57.32 57.58,57.33 57.66,57.4 58.42,57.4
VDD_GPU_S0 on L4-GND2 (solid shape): outline of 6112 points within 57.91,54.86 82.3,95.63
VDD_GPU_S0 on L5-POWER2 (solid shape): outline of 6644 points within 57.91,54.23 84.2,96.14
VDD_LOG_S0 on TOP (solid shape): 89.41,90.55 89.15,90.3 88.39,90.3 88.27,90.17 88.26,89.41 88.27,89.15 88.26,88.52 88.14,88.39 84.96,88.39 83.31,86.74 73.91,86.74 72.9,87.76 71.75,87.76 71.5,88.01 71.5,90.55 71.63,90.68 76.71,90.68 77.47,89.92 80.9,89.92 81.03,90.05 81.04,90.05 81.17,90.14 81.25,90.26 81.25,90.27 82.04,91.06 85.98,91.06 86.35,91.43 86.53,91.43 86.53,91.61 86.74,91.82 89.41,91.82
VDD_LOG_S0 on BOTTOM (solid shape): 56.54,57.4 56.77,57.16 57.09,57.28 57.28,57.28 57.34,57.22 57.34,55.81 57.15,55.63 55.5,55.63 55.48,55.64 55.53,55.9 55.37,56.12 55.37,56.19 55.53,56.39 55.5,56.64 55.63,56.77 55.63,57.28 55.75,57.4
VDD_LOG_S0 on L4-GND2 (solid shape): outline of 5562 points within 46.06,52.71 74.17,99.69
VDD_LOG_S0 on L6-S2 (solid shape): outline of 1135 points within 54.86,47.5 59.56,53.72
VDD_NPU_S0 on TOP (solid shape): 67.56,83.57 67.56,81.03 66.93,80.39 66.93,76.84 67.18,76.58 67.18,74.04 65.15,72.01 63.75,72.01 63.37,72.39 63.37,74.55 63.91,74.55 63.91,74.5 63.92,74.44 63.94,74.4 63.97,74.35 64,74.31 64.04,74.27 64.09,74.24 64.13,74.22 64.18,74.2 64.24,74.2 64.29,74.2 64.34,74.2 64.39,74.22 64.44,74.24 64.48,74.27 64.52,74.31 64.55,74.35 64.58,74.4 64.6,74.44 64.61,74.5 64.62,74.55 64.61,74.6 64.6,74.65 64.58,74.7 64.55,74.75 64.52,74.79 64.48,74.83 64.44,74.86 64.39,74.88 64.34,74.89 64.29,74.9 64.24,74.9 64.18,74.89 64.13,74.88 64.09,74.86 64.04,74.83 64,74.79 63.97,74.75 63.94,74.7 63.92,74.65 63.91,74.6 63.91,74.55 63.37,74.55 63.37,75.82 63.88,76.33 63.88,81.41 64.52,82.04 66.04,82.04 66.29,82.3 66.29,83.69 66.42,83.82 67.31,83.82
VDD_NPU_S0 on BOTTOM (solid shape): 67.31,79.25 67.31,77.72 67.06,77.47 67.06,76.84 67.18,76.71 67.18,73.15 66.8,72.77 65.02,72.77 64.77,73.03 64.77,78.99 65.15,79.38 67.18,79.38
VDD_NPU_S0 on BOTTOM (solid shape): 53.64,58.24 53.68,58.2 53.73,58.16 53.85,58.04 54.06,58.04 54.07,58.01 54.08,57.98 54.08,57.87 54.23,57.72 54.23,57.28 53.98,57.02 53.98,56.96 53.93,56.8 53.98,56.65 53.98,56.31 53.93,56.15 53.98,56 53.98,55.66 53.96,55.63 53.73,55.63 53.72,55.63 53.09,55.63 52.96,55.75 52.93,55.75 52.93,55.93 52.83,56.07 52.83,56.23 52.92,56.36 52.94,56.51 52.94,56.66 52.58,57.02 52.58,57.36 52.6,57.4 52.62,57.44 52.7,57.53 52.7,57.91 52.83,58.04 52.96,58.04 53.09,58.17 53.09,58.29 53.21,58.42 53.47,58.42
VDD_NPU_S0 on L5-POWER2 (solid shape): outline of 5989 points within 43.18,55.25 68.96,82.68
VDD_VDENC_S0 on TOP (solid shape): 95,116.21 95,112.27 95.07,112.19 95,112.12 95,108.99 95.63,108.35 95.63,107.44 95.5,107.31 92.96,107.31 92.96,108.46 93.47,108.46 93.85,108.84 93.85,112.27 93.34,112.78 92.96,112.78 92.96,113.54 92.96,113.54 92.96,113.79 92.96,113.79 92.96,114.55 92.96,114.55 92.96,116.33 93.22,116.59 94.62,116.59
VDD_VDENC_S0 on BOTTOM (solid shape): 58.93,54.1 59.17,54.1 59.44,53.83 59.54,53.64 59.73,53.55 59.78,53.51 59.82,53.41 59.9,53.34 59.94,53.32 59.94,53.22 59.93,53.18 59.92,53.15 59.92,53.06 59.82,52.96 59.18,52.96 59.12,52.9 59,52.9 58.93,52.83 58.67,52.83 58.59,52.88 58.49,52.9 58.47,52.91 58.42,52.96 58.42,53.98 58.67,54.23 58.8,54.23
VDD_VDENC_S0 on L4-GND2 (solid shape): outline of 5719 points within 58.55,50.02 95,118.62
VDDA_0V75_S0 on BOTTOM (solid shape): 62.69,57.07 62.75,56.93 62.87,56.84 62.87,56.13 62.83,56.13 62.83,56.09 62.69,55.82 62.83,55.56 62.83,55.44 62.75,55.36 62.7,55.26 62.7,55.25 62.54,55.1 62.54,55.05 62.49,55 62.49,54.86 61.65,54.86 61.52,54.99 61.52,55.23 61.62,55.3 61.69,55.41 61.68,55.42 61.68,55.59 61.59,55.74 61.59,55.88 61.74,56.02 61.74,56.52 61.72,56.52 61.47,56.77 61.47,57.15 61.59,57.28 62.48,57.28
VDDA_0V75_S0 on L6-S2 (solid shape): outline of 720 points within 60.96,54.86 95.5,69.09
VDDA_0V75_S0 on TOP: 99.06,101.98 99.06,101.6 99.31,101.35 100.46,101.35 100.71,101.6 100.71,101.98 100.58,102.11 99.19,102.11
VDDA_0V75_S0 on L3-POWER1: 101.73,86.74 98.93,83.95 98.93,69.47 97.66,68.2 94.49,68.2 94.23,68.45 94.23,69.34 96.39,71.5 96.39,87 97.54,88.14 97.54,91.19 99.44,93.09 99.44,96.65 100.71,97.92 100.71,99.57 99.31,100.97 99.31,101.85 99.57,102.11 100.84,102.11 101.73,101.22
VDDA_0V85_S0 on BOTTOM (solid shape): 58.23,60.19 58.48,60.07 58.74,60.19 58.85,60.19 59.11,60.05 59.38,60.19 59.5,60.19 59.76,60.05 60.03,60.19 60.21,60.19 60.25,60.15 60.25,59.97 60.16,59.87 60.12,59.75 60.11,59.73 59.97,59.59 58.27,59.59 58.14,59.71 58.14,59.73 58.11,59.86 58.04,59.97 58.04,60.14 58.06,60.16 58.08,60.19
VDDA_0V85_S0 on L3-POWER1 (solid shape): outline of 813 points within 34.29,24.38 50.29,48.77
VDDA_0V85_S0 on L3-POWER1 (solid shape): outline of 870 points within 58.17,59.52 71.25,92.08
VDDA_0V85_S0 on TOP: 98.81,100.71 103.25,100.71 103.38,100.58 103.38,100.2 103.25,100.08 99.31,100.08 99.06,100.33 98.68,100.33 98.68,100.58
VDDA_0V85_S0 on L3-POWER1: 98.93,57.91 98.93,83.82 101.98,86.87 101.98,100.84 102.11,100.97 104.52,100.97 105.66,99.82 105.66,87.63 100.84,82.8 100.84,57.91
VDDA_0V85_S0 on L6-S2: 98.93,33.53 101.09,33.53 101.35,33.27 101.35,29.85 100.08,28.58 89.79,28.58 78.49,17.27 40.64,17.27 37.21,20.7 37.21,25.65 37.47,25.91 38.61,25.91 38.86,25.65 38.86,25.27 44.07,20.07 72.52,20.07 82.93,30.48 95.88,30.48
VDDA_0V85_S0 on L6-S2: 77.47,89.28 97.03,89.28 102.23,94.49 102.23,98.81 103.76,100.33 103.76,100.97 103.25,101.47 101.35,101.47 100.71,100.84 100.71,98.3 99.19,96.77 99.19,95.5 94.36,90.68 78.61,90.68 77.85,91.44 77.85,91.57 77.47,91.95 69.98,91.95 69.6,91.57 69.6,90.81 69.72,90.68 76.07,90.68
VDDA_1V2_S0 on TOP (solid shape): 90.3,87.25 90.3,85.85 90.42,85.72 90.42,84.33 90.04,83.95 89.28,83.95 89.03,84.2 89.03,87.12 89.28,87.38 90.17,87.38
VDDA_1V2_S0 on L3-POWER1 (solid shape): outline of 279 points within 55.12,59.56 56.64,65.15
VDDA_1V2_S0 on L6-S2: 53.34,81.53 53.34,80.65 54.23,79.76 81.53,79.76 83.95,82.17 88.65,82.17 90.68,84.2 90.68,84.84 90.55,84.96 84.45,84.96 80.9,81.41 75.56,81.41 74.68,82.3 54.1,82.3
VDDA_DDR_PLL_S0 on L4-GND2 (solid shape): outline of 1044 points within 52.07,21.59 60.33,49.5
VDDA_DDR_PLL_S0 on TOP: 98.81,102.74 100.46,102.74 100.58,102.87 100.58,103.12 100.33,103.38 99.31,103.38 99.19,103.25 98.93,103.25 98.81,103.12
VDDQ_DDR on BOTTOM (solid shape): 84.84,35.56 86.49,35.56 86.61,35.43 86.61,33.91 85.85,33.15 83.57,33.15 83.31,33.4 83.31,35.69 83.44,35.81 84.58,35.81
VDDQ_DDR on L3-POWER1: outline of 90 points within 54.36,21.08 88.14,57.15 ; 2 cut-outs
VDDQ_DDR_CK_S0 on BOTTOM (solid shape): 80.77,37.47 80.77,36.58 79.76,36.58 79.5,36.83 79.5,37.59 79.76,37.85 80.39,37.85
VDDQ_DDR_CK_S0 on L3-POWER1 (solid shape): outline of 846 points within 61.47,37.08 80.77,48.26
VDDQ_DDR_CKE_S3 on BOTTOM (solid shape): 82.42,37.72 82.42,36.7 82.3,36.58 81.15,36.58 81.03,36.7 81.03,37.72 81.15,37.85 82.3,37.85
VDDQ_DDR_CKE_S3 on L3-POWER1 (solid shape): outline of 1149 points within 62.48,37.21 82.04,49.78
VDDQ_DDR_CKE_S3 on L6-S2 (solid shape): outline of 537 points within 58.93,45.85 63.25,49.78
VDDQ_DDR_S0 on TOP (solid shape): 101.09,92.84 101.09,89.28 100.84,89.03 98.42,89.03 98.3,89.15 98.3,89.79 98.3,90.04 98.3,90.81 98.3,91.57 98.17,91.69 94.11,91.69 93.98,91.82 93.98,92.71 95.76,92.71 96.01,92.96 100.97,92.96
VDDQ_DDR_S0 on L4-GND2 (solid shape): outline of 5924 points within 59.06,32.64 82.55,52.13
VDDQ_DDR_S0 on BOTTOM: 80.01,35.81 82.3,35.81 82.42,35.69 82.42,34.54 82.61,34.35 82.61,32.7 83.06,32.26 87.12,32.26 87.88,33.02 87.88,56.52 88.9,57.53 92.71,57.53 92.96,57.28 92.96,55.75 92.46,55.25 91.06,55.25 90.81,54.99 90.81,30.35 89.79,29.34 81.15,29.34 80.26,30.23 80.26,32.77 80.14,32.89 80.14,33.78 80.26,33.91 80.26,34.93 80.01,35.18
VDDQ_DDR_S0 on L4-GND2: 99.19,91.19 102.87,91.19 103.76,90.3 103.76,70.1 98.04,64.39 98.04,56.52 96.77,55.25 90.55,55.25 90.17,55.63 90.17,67.18 89.53,67.82 89.53,69.09 90.17,69.72 90.17,70.74 98.93,79.5 98.93,90.93
(no net) on TOP: 85.09,96.9 85.09,98.43 85.22,98.55 88.01,98.55 88.01,98.3 87.25,98.3 86.49,97.54 86.49,97.28 86.11,96.9
(no net) on TOP: 83.69,92.96 83.82,93.09 83.82,95.72 80.48,95.72 79.88,95.12 76.2,95.12 76.07,95.25 73.91,95.25 73.79,95.12 73.79,93.22 74.3,92.71 81.53,92.71 81.79,92.96
(no net) on TOP: 88.01,101.47 88.01,102.03 87.07,102.03 86.87,102.23 86.87,103.12 86.49,103.5 86.49,105.16 86.23,105.41 84.96,105.41 84.96,102.74 85.72,101.98 86.23,101.98 86.74,101.47
(no net) on TOP: 92.96,107.31 95.5,107.31 95.63,107.44 95.63,108.46 95.12,108.97 95.12,112.14 95,112.27 95,116.21 94.62,116.59 93.22,116.59 92.96,116.33 92.96,112.78 93.34,112.78 93.85,112.27 93.85,108.84 93.47,108.46 92.96,108.46
(no net) on TOP: 88.52,106.05 90.04,106.05 90.17,106.17 90.17,111.51 89.28,112.4 87.5,112.4 87.25,112.14 87.25,107.95 87.5,107.7 87.5,105.92 87.63,105.79 88.27,105.79
(no net) on TOP: 90.81,103.25 90.81,104.52 90.42,104.9 90.42,106.05 92.08,106.05 92.08,104.52 91.44,103.89 91.44,103.25
(no net) on TOP: 78.36,96.52 78.23,96.65 76.07,96.65 75.56,97.16 75.56,99.19 75.95,99.57 78.23,99.57 78.49,99.31 78.49,98.04 78.61,97.92 82.55,97.92 83.19,98.55 84.07,98.55 84.2,98.43 84.2,96.9 83.06,96.9 82.68,96.52
(no net) on TOP: 94.23,96.14 94.23,96.39 95.12,96.39 95.25,96.52 95.63,96.52 95.76,96.39 95.76,95.5 95.63,95.38 95,95.38
(no net) on TOP: 93.34,87.38 93.47,87.25 93.47,86.74 93.6,86.61 93.6,85.98 93.47,85.85 92.46,85.85 92.33,85.98 92.33,87.25 92.46,87.38
(no net) on TOP: 94.23,97.92 95,97.92 96.39,96.52 97.41,96.52 97.54,96.65 97.54,98.17 97.41,98.3 96.77,98.3 96.52,98.04 95.63,98.04 95.5,98.18 94.23,98.18
(no net) on TOP: 87.5,93.09 87.5,94.23 88.65,94.23 89.03,94.62 89.03,94.87 89.28,95.12 89.28,96.01 89.53,96.01 89.53,93.34 89.28,93.09
(no net) on TOP: 89.66,103.25 89.41,103.5 89.15,103.5 88.52,104.14 88.52,105.16 90.17,105.16 90.17,103.25
(no net) on TOP: 93.73,93.6 93.73,96.01 93.74,96.03 94.04,96.03 94.04,95.95 94.87,95.12 95.38,95.12 95.63,94.87 95.63,93.73 95.5,93.6
(no net) on TOP: 84.96,95.63 85.34,96.01 86.11,96.01 86.87,96.77 88.01,96.77 88.01,96.01 87.12,96.01 86.61,95.5 86.61,93.34 86.23,92.96 84.96,92.96
(no net) on TOP: 80.26,103.76 80.26,105.66 78.49,107.44 70.61,107.44 70.36,107.7 70.36,111.51 71.37,112.52 82.93,112.52 83.44,112.01 83.44,105.79 83.69,105.54 83.69,102.74 82.3,102.74 82.17,102.87 82.17,103.76
(no net) on TOP: 89.03,87.12 89.28,87.38 90.17,87.38 90.3,87.25 90.3,85.85 90.42,85.72 90.42,84.33 90.04,83.95 89.28,83.95 89.03,84.2
(no net) on TOP: 89.11,95.08 89.11,96.01 88.27,96.01 88.01,95.76 87.12,95.76 87,95.63 87,94.74 87.25,94.49 88.52,94.49
(no net) on TOP: 87.25,102.23 88.76,102.23 88.76,103.26 88.65,103.38 87.12,103.38 87,103.25 87,102.49
(no net) on TOP: 92.08,103.25 92.08,104.27 92.84,105.03 92.84,105.66 93.22,106.05 95.12,106.05 95.25,105.92 95.25,105.03 94.74,104.52 93.6,104.52 92.46,103.38 92.46,103.25
(no net) on TOP: 98.55,96.65 104.39,96.65 104.65,96.9 104.65,98.17 104.27,98.55 102.36,98.55 102.3,98.49 100.9,98.49 100.71,98.3 98.42,98.3 98.42,96.77
(no net) on TOP: 89.41,90.55 89.41,91.82 86.74,91.82 85.98,91.06 82.04,91.06 80.9,89.92 77.47,89.92 76.71,90.68 71.63,90.68 71.5,90.55 71.5,88.01 71.75,87.76 72.9,87.76 73.91,86.74 83.31,86.74 84.96,88.39 88.14,88.39 88.27,88.52 88.27,90.17 88.39,90.3 89.15,90.3
(no net) on TOP: 80.01,100.46 82.93,100.46 83.44,100.97 84.07,100.97 84.2,100.84 84.2,99.31 78.74,99.31 78.23,99.82 76.96,99.82 76.58,100.2 76.58,101.22 76.84,101.47 79.25,101.47 79.5,101.22 79.5,100.97
(no net) on TOP: 94.11,91.69 93.98,91.82 93.98,92.71 95.76,92.71 96.01,92.96 100.97,92.96 101.09,92.84 101.09,89.28 100.84,89.03 98.42,89.03 98.3,89.15 98.3,91.57 98.17,91.69
(no net) on TOP: 90.42,106.93 90.42,108.46 90.55,108.59 90.55,111.51 90.3,111.76 90.3,114.3 89.92,114.68 86.61,114.68 86.36,114.43 71.12,114.43 70.87,114.68 70.87,116.08 71.5,116.71 91.06,116.71 91.82,115.95 91.82,113.28 91.95,113.16 91.95,108.46 92.08,108.33 92.08,107.06 91.95,106.93
(no net) on TOP: 85.22,99.31 86.87,99.31 86.94,99.39 88.01,99.39 88.01,99.57 87.12,99.57 85.98,100.71 85.98,100.97 85.15,100.97 85.15,99.38
(no net) on TOP: 32.13,11.56 33.53,11.56 33.66,11.43 33.66,9.14 33.53,9.02 32.13,9.02 31.88,9.27 31.88,11.3
(no net) on BOTTOM: 87.12,95.76 88.14,95.76 88.39,95.5 88.39,94.74 89.66,94.74 89.79,94.62 89.79,93.73 89.66,93.6 85.47,93.6 85.34,93.73 85.34,94.62 85.47,94.74 86.61,94.74 87,95.12 87,95.63
Net_883 on L6-S2 (solid shape): outline of 776 points within 43.94,54.99 51.82,58.29
PMIC_SW1 on TOP (solid shape): 88.01,96.12 87.91,96.01 87.02,96.01 86.74,95.74 86.74,95.63 86.61,95.5 86.61,94.41 86.51,94.41 86.51,93.24 86.23,92.96 84.96,92.96 84.96,95.63 85.22,95.88 86.08,95.88 86.97,96.77 88.01,96.77
PMIC_SW2 on TOP (solid shape): 86.37,105.27 86.37,104.47 86.49,104.47 86.49,104.13 86.39,103.89 86.49,103.64 86.49,103.5 86.82,103.17 86.82,103.15 86.83,103.05 86.86,102.96 86.87,102.95 86.87,102.68 86.86,102.67 86.82,102.49 86.86,102.31 86.87,102.3 86.87,102.23 87.07,102.03 88.01,102.03 88.01,101.49 87,101.49 86.37,102.11 86.1,102.11 85.73,102.49 85.42,102.49 85.16,102.74 84.97,102.74 84.96,102.74 84.96,105.41 86.23,105.41
PMIC_SW3 on TOP (solid shape): 89.27,94.88 89.38,94.9 89.44,94.81 89.44,93.25 89.28,93.09 87.5,93.09 87.5,94.23 88.62,94.23 88.65,94.23 89.03,94.62 89.03,94.64
PMIC_SW4 on TOP (solid shape): 95.25,105.92 95.25,105.03 94.74,104.52 93.6,104.52 93.24,104.16 93.22,104.16 93,104.06 92.88,103.85 92.84,103.79 92.76,103.78 92.44,103.67 92.31,103.36 92.28,103.28 92.21,103.25 92.08,103.25 92.08,103.8 92.86,104.59 92.86,104.65 92.88,104.7 92.89,104.76 92.89,105.72 93.22,106.05 95.12,106.05
PMIC_SW5 on TOP (solid shape): 85.46,98.55 85.61,98.52 85.75,98.55 85.76,98.55 86.1,98.55 86.11,98.55 86.26,98.52 86.41,98.55 86.42,98.55 86.76,98.55 86.77,98.55 86.88,98.52 87.01,98.53 87.18,98.53 87.18,98.34 87.07,98.34 87.06,98.33 86.76,98.02 86.76,98 86.74,97.98 86.74,97.79 86.49,97.54 86.49,97.44 85.95,96.9 85.12,96.9 85.12,98.45 85.22,98.55 85.45,98.55
PMIC_SW6 on TOP (solid shape): 90.17,104.8 90.17,104.76 90.15,104.64 90.17,104.52 90.17,104.52 90.17,104.11 90.17,104.1 90.15,103.99 90.17,103.87 90.17,103.86 90.17,103.45 90.16,103.4 90.15,103.35 90.12,103.28 90.05,103.25 89.94,103.25 89.94,103.29 88.97,104.27 88.94,104.27 88.9,104.31 88.58,104.31 88.58,104.39 88.58,105.16 90.17,105.16
PMIC_SW7 on TOP (solid shape): 85.98,100.71 86,100.69 86,100.62 87.02,99.6 87.06,99.6 87.06,99.58 87.11,99.58 87.12,99.57 87.18,99.57 87.18,99.39 86.94,99.39 86.88,99.32 86.82,99.31 86.35,99.31 86.26,99.33 86.16,99.31 85.7,99.31 85.61,99.33 85.51,99.31 85.22,99.31 85.15,99.38 85.15,100.9 85.98,100.9
PMIC_SW8 on TOP (solid shape): 97.51,98.2 97.51,96.62 96.49,96.62 95.17,97.94 95.17,97.99 95.05,97.99 95.05,98.18 95.35,98.18 95.53,98.05 95.76,98.04 95.77,98.04 96.21,98.04 96.32,98.03 96.42,98.04 96.52,98.04 96.77,98.3 97.41,98.3
PMIC_SW9 on TOP (solid shape): 94.04,95.97 94.04,95.95 94.87,95.12 95.38,95.12 95.63,94.87 95.63,93.73 95.56,93.65 93.93,93.65 93.93,95.08 93.82,95.19 93.82,96.03 93.98,96.03
PMIC_SW10 on TOP (solid shape): 92.05,104.82 91.33,104.1 91.33,103.34 91.24,103.25 91.06,103.25 90.99,103.28 90.96,103.35 90.93,103.48 90.86,103.59 90.85,103.6 90.85,103.71 90.86,103.72 90.96,103.99 90.86,104.25 90.85,104.26 90.85,104.36 90.86,104.38 90.92,104.82 90.53,105.04 90.46,105.07 90.42,105.14 90.42,106.04 92.05,106.04
N17721858 on BOTTOM: 117.86,-10.03 117.6,-9.78 117.6,-4.32 117.98,-3.94 125.6,-3.94 126.62,-4.95 126.62,-9.52 126.11,-10.03 ; 1 cut-out
N17758514 on TOP (solid shape): 40.64,14.48 40.64,13.46 40.51,13.34 37.21,13.34 37.15,13.4 37.15,14.22 36.45,14.22 36.45,14.48 36.58,14.61 40.51,14.61
N17758921 on TOP (solid shape): 50.16,14.73 50.16,13.59 50.04,13.46 46.86,13.46 46.8,13.52 46.8,14.35 46.1,14.35 46.1,14.6 46.12,14.68 46.12,14.75 46.23,14.86 50.04,14.86
N17759951 on TOP (solid shape): 69.88,82.68 69.88,80.14 69.82,80.08 69.04,80.08 68.99,80.14 68.99,82.8 69.75,82.8
N18396738 on TOP (solid shape): 105.36,110.29 105.36,109.23 104.02,109.23 103.89,109.09 99.82,109.09 99.82,110.62 105.03,110.62
GND on TOP (solid shape): 93.74,87.59 93.67,87.5 93.56,87.52 93.45,87.63 93.06,87.63 93.06,88.21 93.06,89.03 93.74,89.03
GND on TOP (solid shape): 34.42,53.44 35.72,53.44 35.86,53.58 36.17,53.58 36.26,53.52 36.25,53.42 36.22,53.37 36.19,53.37 36.15,53.33 34.67,53.33 34.66,53.33 33.88,53.33 33.77,53.32 33.71,53.41 33.71,53.6 33.84,53.73 33.95,53.73 33.95,53.73 34.12,53.73
GND on TOP (solid shape): 42.55,28.58 42.66,28.61 42.72,28.51 42.72,26.58 42.6,26.42 42.58,26.21 42.56,26.13 42.48,26.09 42.37,26.09 42.37,26.15 42.38,26.16 42.35,26.47 42.09,26.64 42.05,26.64 42.05,28.08
GND on BOTTOM (solid shape): 47.64,55.25 47.71,55.23 47.74,55.16 47.77,55.03 47.85,54.93 47.89,54.85 47.74,54.53 47.89,54.2 47.85,54.13 47.82,54.09 47.74,54.06 47.41,54.21 47.09,54.06 47.01,54.09 46.98,54.13 46.94,54.2 47.09,54.53 46.94,54.85 46.98,54.93 47.06,55.03 47.09,55.16 47.12,55.23 47.19,55.25
GND on BOTTOM (solid shape): 49.04,49.8 49.12,49.76 49.26,49.67 49.43,49.66 49.49,49.66 49.49,49.57 49.69,49.37 49.69,49.35 49.71,49.2 49.8,49.08 49.84,49 49.8,48.93 49.77,48.89 49.69,48.86 49.61,48.89 49.09,48.85 49.27,48.36 49.28,48.36 49.33,48.32 49.27,48.25 49.25,48.22 49.23,48.18 49.22,48.14 49.21,48.1 49.2,48.07 49.2,48.03 49.2,47.99 49.2,47.95 49.21,47.91 49.22,47.87 49.23,47.83 49.25,47.79 49.3,47.72 49.18,47.65 49.12,47.59 49.04,47.56 48.96,47.59 48.79,47.7 48.58,47.68 48.55,47.67 48.52,47.69 48.49,47.73 48.46,47.77 48.05,48.18 48.02,48.29 48.11,48.35 48.38,48.58 48.28,48.93 48.24,49 48.28,49.08 48.31,49.11 48.39,49.15 48.47,49.11 48.95,49.1 48.93,49.58 48.89,49.65 48.93,49.73 48.96,49.76
VCC1V8_PMU_DDR_S3 on L6-S2 (solid shape): 50.16,50.34 50.13,50.27 50.05,50.24 49.92,50.22 49.81,50.14 49.72,50.11 49.64,50.15 49.53,50.26 49.37,50.31 49.3,50.34 49.28,50.41 49.28,50.91 49.3,50.98 49.37,51.01 49.6,51.16 49.58,51.43 49.56,51.46 49.66,51.56 50.16,51.56

Small or netless copper shapes (teardrops, artwork), in the pictures only: 2 on TOP, 3 on BOTTOM, 1 on L6-S2, 1 on L3-POWER1

## Text on the board
User.Comments: CR_UNNAMED_1 | CR_DDR0_1
Ref Des/Silkscreen Top: CPU_BIG1_MEM | CPU_LIT | VDDQ_DDR | VDD_GPU | VCC_2V0_PLDO | VDD_GPU_MEM | VDD_NPU | VDD_LOG | VCCIO_SD | VDD2_DDR | AVDD_0V85 | VDD_0V75_PLL | AVDD_1V2 | CPU_LIT_MEM | CPU_BIG1 | VCC_1V8 | CPU_BIG0 | CPU_BIG0_MEM | VDD_DDR | VCC_3V3 | NPU_MEM | AVCC_1V8_CODEC | VCC_1V1_NLDO | VDD1_1V8_DDR | AVCC_1V8 | VDD_VDENC | VCC_3V3_S3 | WIFI/BT ANT0 | MIC | WIFI ANT1 | VGA | EARPHONE | PCIE RJ45 | RJ45 | RK_EVB1_RK3588_LP4XD200P232SD8_V10 | 2021-12-24_PANA | MIPI_D/C PHY | S9300 | ESC | MENU | MIPI_CSI | RESET | V+/REC | G | PWRON | V- | MASTROM | VCC4V0_SYS | SATA_POWER | 5V_SYS | JTAG(MCU or ARM) | USB2.0_HOST | DOWNLOAD | HDMI_OUT0 | HDMI_OUT1 | TYPE_C | HDMI_IN | USB3.0 | DEBUG PORT | UART TO USB | TCK | TMS | VCCIO | 5v | ON | OFF | 12V__DCIN | 12v
DEVICE_TYPE_BOTTOM: FIGURE | SIZE | 7.87 | 11.81 | 15.75 | 25.98 | 27.56 | 29.13 | 33.46 | 35.43 | 36.22 | 39.37 | 40.16 | 43.31 | 53.15 | 62.99 | 66.9 | 70.87 | 90.55 | 106.3 | 125.98 | 133.86 | 169.29 | 25.59 | 31.5 | 47.24 | 51.18 | 78.74 | 86.61 | 43.0x19.0 | 59.06x27.56 | 59.06x31.5 | 66.92x23.62 | 66.93x35.43 | 78.74x23.62 | 78.74x31.49 | 86.61x23.62 | 106.3x35.43 | 137.8x39.37 | 37.01x25.0 | DRILL CHART: TOP to BOTTOM | ALL UNITS ARE IN MILS | PLATED | NON-PLATED | QTY | 4870 | 1663 | 12 | 2 | 9 | 14 | 4 | 26 | 8 | 20 | 15 | 10 | 3 | 1 | 6
NCLEGEND-2-9: FIGURE | SIZE | 7.87 | DRILL CHART: L2-S1 to L9-GND4 | ALL UNITS ARE IN MILS | PLATED | QTY | 1020
NCLEGEND-9-10: FIGURE | SIZE | 3.94 | DRILL CHART: L9-GND4 to BOTTOM | ALL UNITS ARE IN MILS | PLATED | QTY | 1288
User.5: FIGURE | SIZE | 3.94 | DRILL CHART: TOP to L2-S1 | ALL UNITS ARE IN MILS | PLATED | QTY | 2699
